# Altium PCB OpenRec.PcbDoc (part 1 of 4) (continued)
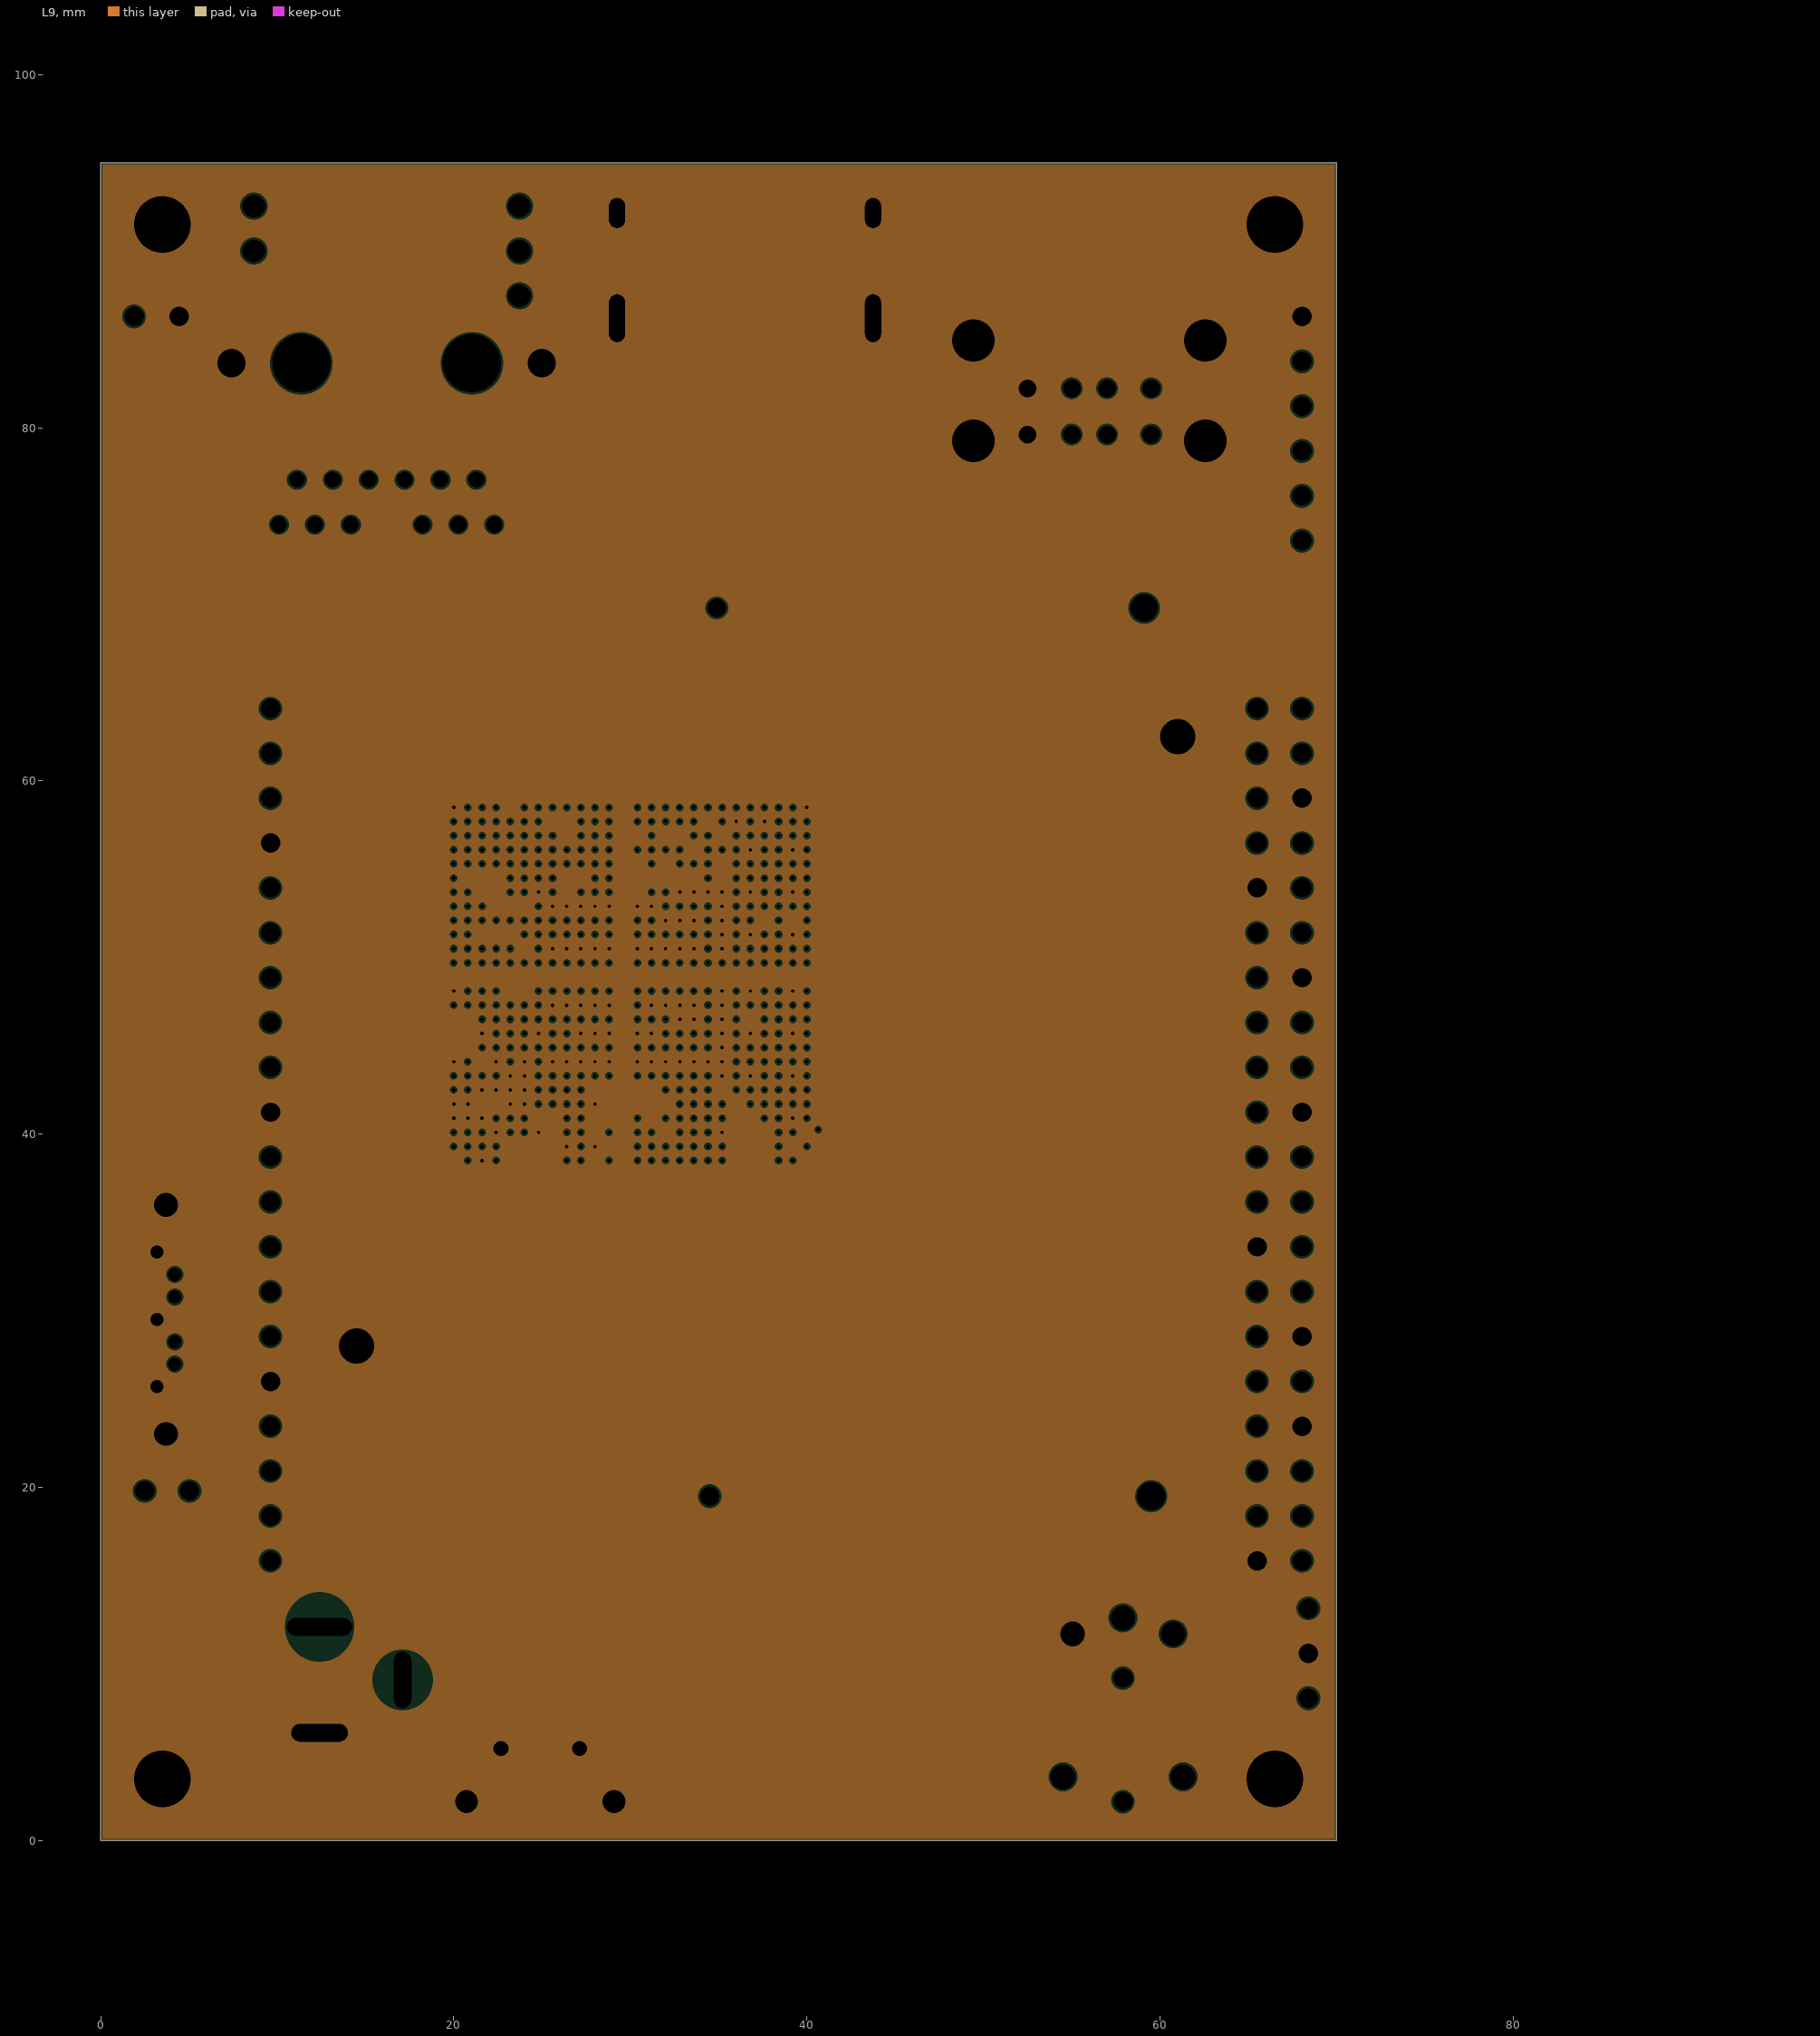
[diagram p3: L9, clearances drawn from the general rule]

## Layer stack, top to bottom
Top Solder: solder mask 0.02, Solder Resist, Dk 4.1
L1: signal copper 0.043
Dielectric1: core 0.074, VT47-1080, Dk 3.95
L2: plane copper 0.018, net GND
Dielectric2: prepreg 0.102, VT-47, Dk 4.12
L3: signal copper 0.018
Dielectric3: core 0.282, VT47-2113, Dk 4.06
L4 (PWR): signal copper 0.018
Dielectric4: prepreg 0.102, VT-47, Dk 4.12
L5 (PWR): signal copper 0.018
Dielectric 8: dielectric 0.282, VT47-2113, Dk 4.06
L6 (PWR): signal copper 0.018
Dielectric 9: dielectric 0.102, VT-47, Dk 4.12
L7 (PWR): signal copper 0.018
Dielectric5: core 0.282, VT47-2113, Dk 4.06
L8: signal copper 0.018
Dielectric6: prepreg 0.102, VT-47, Dk 4.12
L9: plane copper 0.018, net GND
Dielectric7: core 0.074, VT47-1080, Dk 3.95
L10: signal copper 0.043
Bottom Solder: solder mask 0.02, Solder Resist, Dk 4.1

## Board outline
0,0 70,0 70,95 0,95

## Design rules (kind name [scope] priority, off if disabled: settings)
Clearance "Pad Clearance" [IsPad vs IsPad] p1: gap=0.2 ignorepadtopadclearanceinfootprint=FALSE except(0: Arc-Hole Track-Hole SMDPad-Hole THPad-Hole Via-Hole Fill-Hole Poly-Hole Region-Hole Text-Hole)
Clearance "Clearance Non Plated Holes" [InPadClass('NPTH')] p2: gap=0.5 ignorepadtopadclearanceinfootprint=FALSE except(0: Arc-Hole Track-Hole SMDPad-Hole THPad-Hole Via-Hole Fill-Hole Poly-Hole Region-Hole Text-Hole)
Clearance "Signal tracks" [IsTrack and not(InNetClass('DIFF100') or InNetClass('DIFF90')) and (Width <= 0.3) vs IsTrack and (Width <= 0.3)] p3: gap=0.16 ignorepadtopadclearanceinfootprint=FALSE except(0: Arc-Hole Track-Hole SMDPad-Hole THPad-Hole Via-Hole Fill-Hole Poly-Hole Region-Hole Text-Hole)
Clearance "Poly to Poly Inner Layers" [IsRegion AND (OnLayer('L4 (PWR)') OR OnLayer('L5 (PWR)') OR OnLayer('L6 (PWR)') OR OnLayer('L7 (PWR)')) vs IsRegion] p4: gap=0.35 ignorepadtopadclearanceinfootprint=FALSE except(0: Arc-Hole Track-Hole SMDPad-Hole THPad-Hole Via-Hole Fill-Hole Poly-Hole Region-Hole Text-Hole)
Clearance "Poly to Poly Outer Layers" [IsRegion AND (OnLayer('L1') OR OnLayer('L10')) vs IsRegion or IsTrack] p5: gap=0.14 ignorepadtopadclearanceinfootprint=FALSE except(0: Arc-Hole Track-Hole SMDPad-Hole THPad-Hole Via-Hole Fill-Hole Poly-Hole Region-Hole Text-Hole)
Clearance "PWR Poly to VIA" [IsRegion AND (OnLayer('L4 (PWR)') OR OnLayer('L5 (PWR)') OR OnLayer('L6 (PWR)') OR OnLayer('L7 (PWR)')) vs IsVia] p6: gap=0.1 ignorepadtopadclearanceinfootprint=FALSE except(0: Arc-Hole Track-Hole SMDPad-Hole THPad-Hole Via-Hole Fill-Hole Poly-Hole Region-Hole Text-Hole)
Clearance [All] p7: gap=0.1 ignorepadtopadclearanceinfootprint=FALSE except(0: Arc-Hole Track-Hole SMDPad-Hole THPad-Hole Via-Hole Fill-Hole Poly-Hole Region-Hole Text-Hole)
ComponentClearance "PCIe card model" [InComponent('CR1') vs InComponent('J15') or InComponent('J16')] p1: gap=0 collisioncheckmode=3 verticalgap=0 showdistances=FALSE
ComponentClearance "SIM Card model" [InComponent('CR1') or InComponent('CR3') vs InComponent('J17')] p2: gap=0 collisioncheckmode=3 verticalgap=0 showdistances=FALSE
ComponentClearance "SD Card model to SD slot" [InComponent('CR2') vs InComponent('J13')] p3: gap=0 collisioncheckmode=3 verticalgap=0 showdistances=FALSE
ComponentClearance "FID1 to J9" [InComponent('FID1') vs InComponent('J9')] p4: gap=0 collisioncheckmode=3 verticalgap=0 showdistances=FALSE
ComponentClearance "FID2 to J14" [InComponent('FID2') vs InComponent('J14')] p5: gap=0 collisioncheckmode=3 verticalgap=0 showdistances=FALSE
ComponentClearance "FID3 to J4" [InComponent('FID3') vs InComponent('J4')] p6: gap=0 collisioncheckmode=3 verticalgap=0 showdistances=FALSE
ComponentClearance "FID4 to J6" [InComponent('FID4') vs InComponent('J6')] p7: gap=0 collisioncheckmode=3 verticalgap=0 showdistances=FALSE
ComponentClearance USB0_N [InComponent('R322') vs InComponent('R321') or InComponent('R323')] p8: gap=0 collisioncheckmode=3 verticalgap=0 showdistances=FALSE
ComponentClearance USB0_P [InComponent('R325') vs InComponent('R324') or InComponent('R326')] p9: gap=0 collisioncheckmode=3 verticalgap=0 showdistances=FALSE
ComponentClearance USB1_N [InComponent('R328') vs InComponent('R327') or InComponent('R329')] p10: gap=0 collisioncheckmode=3 verticalgap=0 showdistances=FALSE
ComponentClearance USB1_P [InComponent('R331') vs InComponent('R330') or InComponent('R332')] p11: gap=0 collisioncheckmode=3 verticalgap=0 showdistances=FALSE
ComponentClearance "USB1_N R0805" [InComponent('R294') vs InComponent('R194') or InComponent('R207')] p12: gap=0 collisioncheckmode=3 verticalgap=0 showdistances=FALSE
ComponentClearance "USB1_P R0805" [InComponent('R295') vs InComponent('R297') or InComponent('R298')] p13: gap=0 collisioncheckmode=3 verticalgap=0 showdistances=FALSE
ComponentClearance "USB1_N R0402" [InComponent('R194') vs InComponent('R207')] p14: gap=0 collisioncheckmode=3 verticalgap=0 showdistances=FALSE
ComponentClearance "USB1_P R0402" [InComponent('R297') vs InComponent('R298')] p15: gap=0 collisioncheckmode=3 verticalgap=0 showdistances=FALSE
ComponentClearance CSI_D0_N [InComponent('R33') vs InComponent('R65')] p16: gap=0 collisioncheckmode=3 verticalgap=0 showdistances=FALSE
ComponentClearance CSI_D0_R [InComponent('R71') vs InComponent('R119')] p17: gap=0 collisioncheckmode=3 verticalgap=0 showdistances=FALSE
ComponentClearance CSI_D1_N [InComponent('R120') vs InComponent('R121')] p18: gap=0 collisioncheckmode=3 verticalgap=0 showdistances=FALSE
ComponentClearance CSI_D1_R [InComponent('R122') vs InComponent('R123')] p19: gap=0 collisioncheckmode=3 verticalgap=0 showdistances=FALSE
ComponentClearance CSI_D2_N [InComponent('R125') vs InComponent('R126')] p20: gap=0 collisioncheckmode=3 verticalgap=0 showdistances=FALSE
ComponentClearance CSI_D2_R [InComponent('R127') vs InComponent('R128')] p21: gap=0 collisioncheckmode=3 verticalgap=0 showdistances=FALSE
ComponentClearance LVDS0_CLK_N [InComponent('R129') vs InComponent('R135')] p22: gap=0 collisioncheckmode=3 verticalgap=0 showdistances=FALSE
ComponentClearance LVDS0_CLK_P [InComponent('R136') vs InComponent('R138')] p23: gap=0 collisioncheckmode=3 verticalgap=0 showdistances=FALSE
ComponentClearance CAN [InComponent('U19') vs InComponent('R41') or InComponent('R117')] p24: gap=0 collisioncheckmode=3 verticalgap=0 showdistances=FALSE
ComponentClearance "Reset circuit" [InComponent('U31') vs InComponent('R350')] p25: gap=0 collisioncheckmode=3 verticalgap=0 showdistances=FALSE
ComponentClearance "UART4_TXD PWM selection_1" [InComponent('R366') vs InComponent('R367') or InComponent('R368')] p26: gap=0 collisioncheckmode=3 verticalgap=0 showdistances=FALSE
ComponentClearance "UART4_TXD PWM selection_2" [InComponent('R369') vs InComponent('R367') or InComponent('R368')] p27: gap=0 collisioncheckmode=3 verticalgap=0 showdistances=FALSE
ComponentClearance "1V2_ETH source selection" [InComponent('R354') vs InComponent('R355')] p28: gap=0 collisioncheckmode=3 verticalgap=0 showdistances=FALSE
ComponentClearance "1V2_ETH output selection" [InComponent('R352') vs InComponent('R353')] p29: gap=0 collisioncheckmode=3 verticalgap=0 showdistances=FALSE
ComponentClearance "Beads MCU power" [InComponent('FB29') vs InComponent('FB30')] p30: gap=0 collisioncheckmode=3 verticalgap=0 showdistances=FALSE
ComponentClearance "Beads 5V MPCIe" [InComponent('FB17') vs InComponent('FB37')] p31: gap=0 collisioncheckmode=3 verticalgap=0 showdistances=FALSE
ComponentClearance "Beads 5V USB Bottom" [InComponent('FB38') vs InComponent('FB23')] p32: gap=0 collisioncheckmode=3 verticalgap=0 showdistances=FALSE
ComponentClearance "Beads Audio VDDD" [InComponent('FB20') vs InComponent('FB11')] p33: gap=0 collisioncheckmode=3 verticalgap=0 showdistances=FALSE
ComponentClearance "Beads Audio VDDA" [InComponent('FB26') vs InComponent('FB13')] p34: gap=0 collisioncheckmode=3 verticalgap=0 showdistances=FALSE
ComponentClearance "Beads CAN poer" [InComponent('FB43') vs InComponent('FB44')] p35: gap=0 collisioncheckmode=3 verticalgap=0 showdistances=FALSE
ComponentClearance "Header J1 5V selection" [InComponent('FB34') vs InComponent('FB35')] p36: gap=0 collisioncheckmode=3 verticalgap=0 showdistances=FALSE
ComponentClearance "Header J1 3V3 selection" [InComponent('FB40') vs InComponent('FB42')] p37: gap=0 collisioncheckmode=3 verticalgap=0 showdistances=FALSE
ComponentClearance "Header J2 5V selection" [InComponent('FB31') vs InComponent('FB32')] p38: gap=0 collisioncheckmode=3 verticalgap=0 showdistances=FALSE
ComponentClearance "Header J2 3V3 selection" [InComponent('FB39') vs InComponent('FB41')] p39: gap=0 collisioncheckmode=3 verticalgap=0 showdistances=FALSE
ComponentClearance "Diodes Serial console power" [InComponent('D30') vs InComponent('D38')] p40: gap=0 collisioncheckmode=3 verticalgap=0 showdistances=FALSE
ComponentClearance "MH2 and LED transistor" [InComponent('MH2') vs InComponent('Q6')] p41: gap=0 collisioncheckmode=3 verticalgap=0 showdistances=FALSE
ComponentClearance [All] p42: gap=0.2 collisioncheckmode=3 verticalgap=0.2 showdistances=FALSE
DiffPairsRouting DiffPair_DIFF100DiffPairsRouting [InDifferentialPairClass('DIFF100')] p1: maxlimit=0.25 minlimit=0.21 mostfreqgap=0.25 toplayer_mingap=0.22 toplayer_maxgap=0.22 toplayer_prefgap=0.22 toplayer_minwidth=0.1 toplayer_maxwidth=0.1 toplayer_prefwidth=0.1 midlayer1_maxgap=0.21 midlayer1_prefgap=0.21 midlayer1_minwidth=0.11 midlayer1_maxwidth=0.11 midlayer1_prefwidth=0.11 midlayer2_mingap=0.25 midlayer2_minwidth=0.2 midlayer2_maxwidth=0.2 midlayer2_prefwidth=0.2 midlayer3_mingap=0.25 midlayer3_minwidth=0.2 midlayer3_maxwidth=0.2 midlayer3_prefwidth=0.2 midlayer4_maxgap=0.21 midlayer4_prefgap=0.21 midlayer4_minwidth=0.11 midlayer4_maxwidth=0.11 midlayer4_prefwidth=0.11 midlayer5_mingap=0.25 midlayer5_minwidth=0.2 midlayer5_maxwidth=0.2 midlayer5_prefwidth=0.2 midlayer6_mingap=0.25 midlayer6_minwidth=0.2 midlayer6_maxwidth=0.2 midlayer6_prefwidth=0.2 bottomlayer_mingap=0.22 bottomlayer_maxgap=0.22 bottomlayer_prefgap=0.22 bottomlayer_minwidth=0.1 bottomlayer_maxwidth=0.1 bottomlayer_prefwidth=0.1 substack1={54A04105-FA12-4290-B534-276521ACAEA2} toplayer_{54a04105-fa12-4290-b534-276521acaea2}_minwidth=0.381 toplayer_{54a04105-fa12-4290-b534-276521acaea2}_maxwidth=0.381 toplayer_{54a04105-fa12-4290-b534-276521acaea2}_prefwidth=0.381 midlayer1_{54a04105-fa12-4290-b534-276521acaea2}_minwidth=0.381 midlayer1_{54a04105-fa12-4290-b534-276521acaea2}_maxwidth=0.381 midlayer1_{54a04105-fa12-4290-b534-276521acaea2}_prefwidth=0.381 midlayer2_{54a04105-fa12-4290-b534-276521acaea2}_minwidth=0.381 midlayer2_{54a04105-fa12-4290-b534-276521acaea2}_maxwidth=0.381 midlayer2_{54a04105-fa12-4290-b534-276521acaea2}_prefwidth=0.381 midlayer3_{54a04105-fa12-4290-b534-276521acaea2}_minwidth=0.381 midlayer3_{54a04105-fa12-4290-b534-276521acaea2}_maxwidth=0.381 midlayer3_{54a04105-fa12-4290-b534-276521acaea2}_prefwidth=0.381 midlayer4_{54a04105-fa12-4290-b534-276521acaea2}_minwidth=0.381 midlayer4_{54a04105-fa12-4290-b534-276521acaea2}_maxwidth=0.381 midlayer4_{54a04105-fa12-4290-b534-276521acaea2}_prefwidth=0.381 midlayer5_{54a04105-fa12-4290-b534-276521acaea2}_minwidth=0.381 midlayer5_{54a04105-fa12-4290-b534-276521acaea2}_maxwidth=0.381 midlayer5_{54a04105-fa12-4290-b534-276521acaea2}_prefwidth=0.381 midlayer6_{54a04105-fa12-4290-b534-276521acaea2}_minwidth=0.381 midlayer6_{54a04105-fa12-4290-b534-276521acaea2}_maxwidth=0.381 midlayer6_{54a04105-fa12-4290-b534-276521acaea2}_prefwidth=0.381 bottomlayer_{54a04105-fa12-4290-b534-276521acaea2}_minwidth=0.381 bottomlayer_{54a04105-fa12-4290-b534-276521acaea2}_maxwidth=0.381 bottomlayer_{54a04105-fa12-4290-b534-276521acaea2}_prefwidth=0.381 substack2={CB435ABD-4C74-406A-9DA6-1760DBE9B1C2} toplayer_{cb435abd-4c74-406a-9da6-1760dbe9b1c2}_minwidth=0.381 toplayer_{cb435abd-4c74-406a-9da6-1760dbe9b1c2}_maxwidth=0.381 toplayer_{cb435abd-4c74-406a-9da6-1760dbe9b1c2}_prefwidth=0.381 midlayer1_{cb435abd-4c74-406a-9da6-1760dbe9b1c2}_minwidth=0.381 midlayer1_{cb435abd-4c74-406a-9da6-1760dbe9b1c2}_maxwidth=0.381 midlayer1_{cb435abd-4c74-406a-9da6-1760dbe9b1c2}_prefwidth=0.381 midlayer2_{cb435abd-4c74-406a-9da6-1760dbe9b1c2}_minwidth=0.381 midlayer2_{cb435abd-4c74-406a-9da6-1760dbe9b1c2}_maxwidth=0.381 midlayer2_{cb435abd-4c74-406a-9da6-1760dbe9b1c2}_prefwidth=0.381 midlayer3_{cb435abd-4c74-406a-9da6-1760dbe9b1c2}_minwidth=0.381 midlayer3_{cb435abd-4c74-406a-9da6-1760dbe9b1c2}_maxwidth=0.381 midlayer3_{cb435abd-4c74-406a-9da6-1760dbe9b1c2}_prefwidth=0.381 midlayer4_{cb435abd-4c74-406a-9da6-1760dbe9b1c2}_minwidth=0.381 midlayer4_{cb435abd-4c74-406a-9da6-1760dbe9b1c2}_maxwidth=0.381 midlayer4_{cb435abd-4c74-406a-9da6-1760dbe9b1c2}_prefwidth=0.381 midlayer5_{cb435abd-4c74-406a-9da6-1760dbe9b1c2}_minwidth=0.381 midlayer5_{cb435abd-4c74-406a-9da6-1760dbe9b1c2}_maxwidth=0.381 midlayer5_{cb435abd-4c74-406a-9da6-1760dbe9b1c2}_prefwidth=0.381 midlayer6_{cb435abd-4c74-406a-9da6-1760dbe9b1c2}_minwidth=0.381 midlayer6_{cb435abd-4c74-406a-9da6-1760dbe9b1c2}_maxwidth=0.381 midlayer6_{cb435abd-4c74-406a-9da6-1760dbe9b1c2}_prefwidth=0.381 bottomlayer_{cb435abd-4c74-406a-9da6-1760dbe9b1c2}_minwidth=0.381 bottomlayer_{cb435abd-4c74-406a-9da6-1760dbe9b1c2}_maxwidth=0.381 bottomlayer_{cb435abd-4c74-406a-9da6-1760dbe9b1c2}_prefwidth=0.381 maxuncoupledlength=12.3
DiffPairsRouting DiffPair_DIFF90DiffPairsRouting [InDifferentialPairClass('DIFF90')] p2: maxlimit=0.2 minlimit=0.16 mostfreqgap=0.2 toplayer_maxgap=0.16 toplayer_prefgap=0.16 toplayer_minwidth=0.114 toplayer_maxwidth=0.114 toplayer_prefwidth=0.114 midlayer1_mingap=0.19 midlayer1_maxgap=0.19 midlayer1_prefgap=0.19 midlayer1_minwidth=0.13 midlayer1_maxwidth=0.13 midlayer1_prefwidth=0.13 midlayer2_mingap=0.2 midlayer2_minwidth=0.18 midlayer2_maxwidth=0.18 midlayer2_prefwidth=0.18 midlayer3_mingap=0.2 midlayer3_minwidth=0.18 midlayer3_maxwidth=0.18 midlayer3_prefwidth=0.18 midlayer4_mingap=0.19 midlayer4_maxgap=0.19 midlayer4_prefgap=0.19 midlayer4_minwidth=0.13 midlayer4_maxwidth=0.13 midlayer4_prefwidth=0.13 midlayer5_mingap=0.2 midlayer5_minwidth=0.18 midlayer5_maxwidth=0.18 midlayer5_prefwidth=0.18 midlayer6_mingap=0.2 midlayer6_minwidth=0.18 midlayer6_maxwidth=0.18 midlayer6_prefwidth=0.18 bottomlayer_maxgap=0.16 bottomlayer_prefgap=0.16 bottomlayer_minwidth=0.114 bottomlayer_maxwidth=0.114 bottomlayer_prefwidth=0.114 substack1={54A04105-FA12-4290-B534-276521ACAEA2} toplayer_{54a04105-fa12-4290-b534-276521acaea2}_minwidth=0.381 toplayer_{54a04105-fa12-4290-b534-276521acaea2}_maxwidth=0.381 toplayer_{54a04105-fa12-4290-b534-276521acaea2}_prefwidth=0.381 midlayer1_{54a04105-fa12-4290-b534-276521acaea2}_minwidth=0.381 midlayer1_{54a04105-fa12-4290-b534-276521acaea2}_maxwidth=0.381 midlayer1_{54a04105-fa12-4290-b534-276521acaea2}_prefwidth=0.381 midlayer2_{54a04105-fa12-4290-b534-276521acaea2}_minwidth=0.381 midlayer2_{54a04105-fa12-4290-b534-276521acaea2}_maxwidth=0.381 midlayer2_{54a04105-fa12-4290-b534-276521acaea2}_prefwidth=0.381 midlayer3_{54a04105-fa12-4290-b534-276521acaea2}_minwidth=0.381 midlayer3_{54a04105-fa12-4290-b534-276521acaea2}_maxwidth=0.381 midlayer3_{54a04105-fa12-4290-b534-276521acaea2}_prefwidth=0.381 midlayer4_{54a04105-fa12-4290-b534-276521acaea2}_minwidth=0.381 midlayer4_{54a04105-fa12-4290-b534-276521acaea2}_maxwidth=0.381 midlayer4_{54a04105-fa12-4290-b534-276521acaea2}_prefwidth=0.381 midlayer5_{54a04105-fa12-4290-b534-276521acaea2}_minwidth=0.381 midlayer5_{54a04105-fa12-4290-b534-276521acaea2}_maxwidth=0.381 midlayer5_{54a04105-fa12-4290-b534-276521acaea2}_prefwidth=0.381 midlayer6_{54a04105-fa12-4290-b534-276521acaea2}_minwidth=0.381 midlayer6_{54a04105-fa12-4290-b534-276521acaea2}_maxwidth=0.381 midlayer6_{54a04105-fa12-4290-b534-276521acaea2}_prefwidth=0.381 bottomlayer_{54a04105-fa12-4290-b534-276521acaea2}_minwidth=0.381 bottomlayer_{54a04105-fa12-4290-b534-276521acaea2}_maxwidth=0.381 bottomlayer_{54a04105-fa12-4290-b534-276521acaea2}_prefwidth=0.381 substack2={CB435ABD-4C74-406A-9DA6-1760DBE9B1C2} toplayer_{cb435abd-4c74-406a-9da6-1760dbe9b1c2}_minwidth=0.381 toplayer_{cb435abd-4c74-406a-9da6-1760dbe9b1c2}_maxwidth=0.381 toplayer_{cb435abd-4c74-406a-9da6-1760dbe9b1c2}_prefwidth=0.381 midlayer1_{cb435abd-4c74-406a-9da6-1760dbe9b1c2}_minwidth=0.381 midlayer1_{cb435abd-4c74-406a-9da6-1760dbe9b1c2}_maxwidth=0.381 midlayer1_{cb435abd-4c74-406a-9da6-1760dbe9b1c2}_prefwidth=0.381 midlayer2_{cb435abd-4c74-406a-9da6-1760dbe9b1c2}_minwidth=0.381 midlayer2_{cb435abd-4c74-406a-9da6-1760dbe9b1c2}_maxwidth=0.381 midlayer2_{cb435abd-4c74-406a-9da6-1760dbe9b1c2}_prefwidth=0.381 midlayer3_{cb435abd-4c74-406a-9da6-1760dbe9b1c2}_minwidth=0.381 midlayer3_{cb435abd-4c74-406a-9da6-1760dbe9b1c2}_maxwidth=0.381 midlayer3_{cb435abd-4c74-406a-9da6-1760dbe9b1c2}_prefwidth=0.381 midlayer4_{cb435abd-4c74-406a-9da6-1760dbe9b1c2}_minwidth=0.381 midlayer4_{cb435abd-4c74-406a-9da6-1760dbe9b1c2}_maxwidth=0.381 midlayer4_{cb435abd-4c74-406a-9da6-1760dbe9b1c2}_prefwidth=0.381 midlayer5_{cb435abd-4c74-406a-9da6-1760dbe9b1c2}_minwidth=0.381 midlayer5_{cb435abd-4c74-406a-9da6-1760dbe9b1c2}_maxwidth=0.381 midlayer5_{cb435abd-4c74-406a-9da6-1760dbe9b1c2}_prefwidth=0.381 midlayer6_{cb435abd-4c74-406a-9da6-1760dbe9b1c2}_minwidth=0.381 midlayer6_{cb435abd-4c74-406a-9da6-1760dbe9b1c2}_maxwidth=0.381 midlayer6_{cb435abd-4c74-406a-9da6-1760dbe9b1c2}_prefwidth=0.381 bottomlayer_{cb435abd-4c74-406a-9da6-1760dbe9b1c2}_minwidth=0.381 bottomlayer_{cb435abd-4c74-406a-9da6-1760dbe9b1c2}_maxwidth=0.381 bottomlayer_{cb435abd-4c74-406a-9da6-1760dbe9b1c2}_prefwidth=0.381 maxuncoupledlength=8.6
Height [All] p1: minheight=-8 maxheight=25.4 prefheight=12.7
HoleSize [All] p1: absolutevalues=TRUE maxlimit=10 minlimit=0.2 maxpercent=80.000 minpercent=20.000
HoleToHoleClearance [All] p1: gap=0.3 allowstackedmicrovias=TRUE
MatchedLengths MatchedLengths_Bank0 [InNetClass('DRAM_BANK0')] p1: tolerance=0.254 checknetsindiffpair=FALSE checkdiffpairvsdiffpair=TRUE checkxsignals=TRUE checkothers=TRUE
MatchedLengths MatchedLengths_Bank1 [InNetClass('DRAM_BANK1')] p2: tolerance=0.254 checknetsindiffpair=FALSE checkdiffpairvsdiffpair=TRUE checkxsignals=TRUE checkothers=TRUE
MatchedLengths MatchedLengths_Bank2 [InNetClass('DRAM_BANK2')] p3: tolerance=0.254 checknetsindiffpair=FALSE checkdiffpairvsdiffpair=TRUE checkxsignals=TRUE checkothers=TRUE
MatchedLengths MatchedLengths_Bank3 [InNetClass('DRAM_BANK3')] p4: tolerance=0.254 checknetsindiffpair=FALSE checkdiffpairvsdiffpair=TRUE checkxsignals=TRUE checkothers=TRUE
MatchedLengths MatchedLengths_Bank4 [InNetClass('DRAM_BANK4')] p5: tolerance=0.254 checknetsindiffpair=FALSE checkdiffpairvsdiffpair=TRUE checkxsignals=TRUE checkothers=TRUE
MatchedLengths MatchedLengths_Bank5 [InNetClass('DRAM_BANK5')] p6: tolerance=0.254 checknetsindiffpair=FALSE checkdiffpairvsdiffpair=TRUE checkxsignals=TRUE checkothers=TRUE
MatchedLengths MatchedLengths_Bank6 [InNetClass('DRAM_BANK6')] p7: tolerance=0.254 checknetsindiffpair=FALSE checkdiffpairvsdiffpair=TRUE checkxsignals=TRUE checkothers=TRUE
MatchedLengths MatchedLengths_Bank7 [InNetClass('DRAM_BANK7')] p8: tolerance=0.254 checknetsindiffpair=FALSE checkdiffpairvsdiffpair=TRUE checkxsignals=TRUE checkothers=TRUE
MatchedLengths DiffPair_DIFF100MatchedLengths [InDifferentialPairClass('DIFF100')] p9: tolerance=0.127 checknetsindiffpair=TRUE checkdiffpairvsdiffpair=FALSE checkxsignals=FALSE checkothers=FALSE
MatchedLengths DiffPair_DIFF90MatchedLengths [InDifferentialPairClass('DIFF90')] p10: tolerance=0.127 checknetsindiffpair=TRUE checkdiffpairvsdiffpair=FALSE checkxsignals=FALSE checkothers=FALSE
MinimumSolderMaskSliver [All] p1: minsoldermaskwidth=0.1
PlaneClearance [All] p1: clearance=0.12
PlaneConnect "GND to J9" [Incomponent('J9')] p1: planeconnectstyle=Relief reliefexpansion=0.5 reliefentries=4 reliefconductorwidth=2 reliefairgap=0.3
PlaneConnect "GND to MH" [Incomponent('MH1') or Incomponent('MH2') or Incomponent('MH3') or Incomponent('MH4') or Incomponent('MH5') or Incomponent('MH6')] p2: planeconnectstyle=Direct reliefexpansion=0.508 reliefentries=4 reliefconductorwidth=0.254 reliefairgap=0.254
PlaneConnect "GND to PAD" [(InNet('GND') and IsPad)] p3: planeconnectstyle=Relief reliefexpansion=0.3 reliefentries=4 reliefconductorwidth=0.5 reliefairgap=0.2
PlaneConnect [All] p4: planeconnectstyle=Direct reliefexpansion=0.2 reliefentries=4 reliefconductorwidth=0.3 reliefairgap=0.2
PolygonConnect [All] p1: connectstyle=Direct reliefconductorwidth=0.254 reliefentries=4 polygonreliefangle="90 Angle" airgapwidth=0.254
RoutingVias [All] p1: holewidth=0.2 width=0.45 viastyle="Through Hole" minholewidth=0.2 minwidth=0.45 maxholewidth=0.5 maxwidth=1
SilkToSilkClearance [All] p1: silktosilkclearance=0.1
SilkToSolderMaskClearance SilkscreenOverComponentPads [IsPad] p1: minsilkscreentomaskgap=0.1 clearancetoexposedcopper=TRUE
SolderMaskExpansion [All] p1: expansion=0.102 istentingtop=FALSE
Width DiffPair_DIFF100Width [InDifferentialPairClass('DIFF100')] p1: maxlimit=0.2 minlimit=0.1 preferedwidth=0.2 toplayer_maxwidth=0.1 toplayer_prefwidth=0.1 midlayer1_minwidth=0.11 midlayer1_maxwidth=0.11 midlayer1_prefwidth=0.11 midlayer2_minwidth=0.2 midlayer3_minwidth=0.2 midlayer4_minwidth=0.11 midlayer4_maxwidth=0.11 midlayer4_prefwidth=0.11 midlayer5_minwidth=0.2 midlayer6_minwidth=0.2 bottomlayer_maxwidth=0.1 bottomlayer_prefwidth=0.1 substack1={54A04105-FA12-4290-B534-276521ACAEA2} substack2={CB435ABD-4C74-406A-9DA6-1760DBE9B1C2} minimp=50.000000 maximp=50.000000 favimp=50.000000